# Altium PCB Daughter Board.PcbDoc (part 1 of 3)
Units mil, origin at the board's own origin, x right, y up, seen from the top; angles counter-clockwise.
Board outline 3543.31 x 2755.91 mil, 4 copper layers (Top, GND, 3V3, Bottom), stack 70.5 mil thick; 212 components, 182 nets, 825 pads, 231 vias.
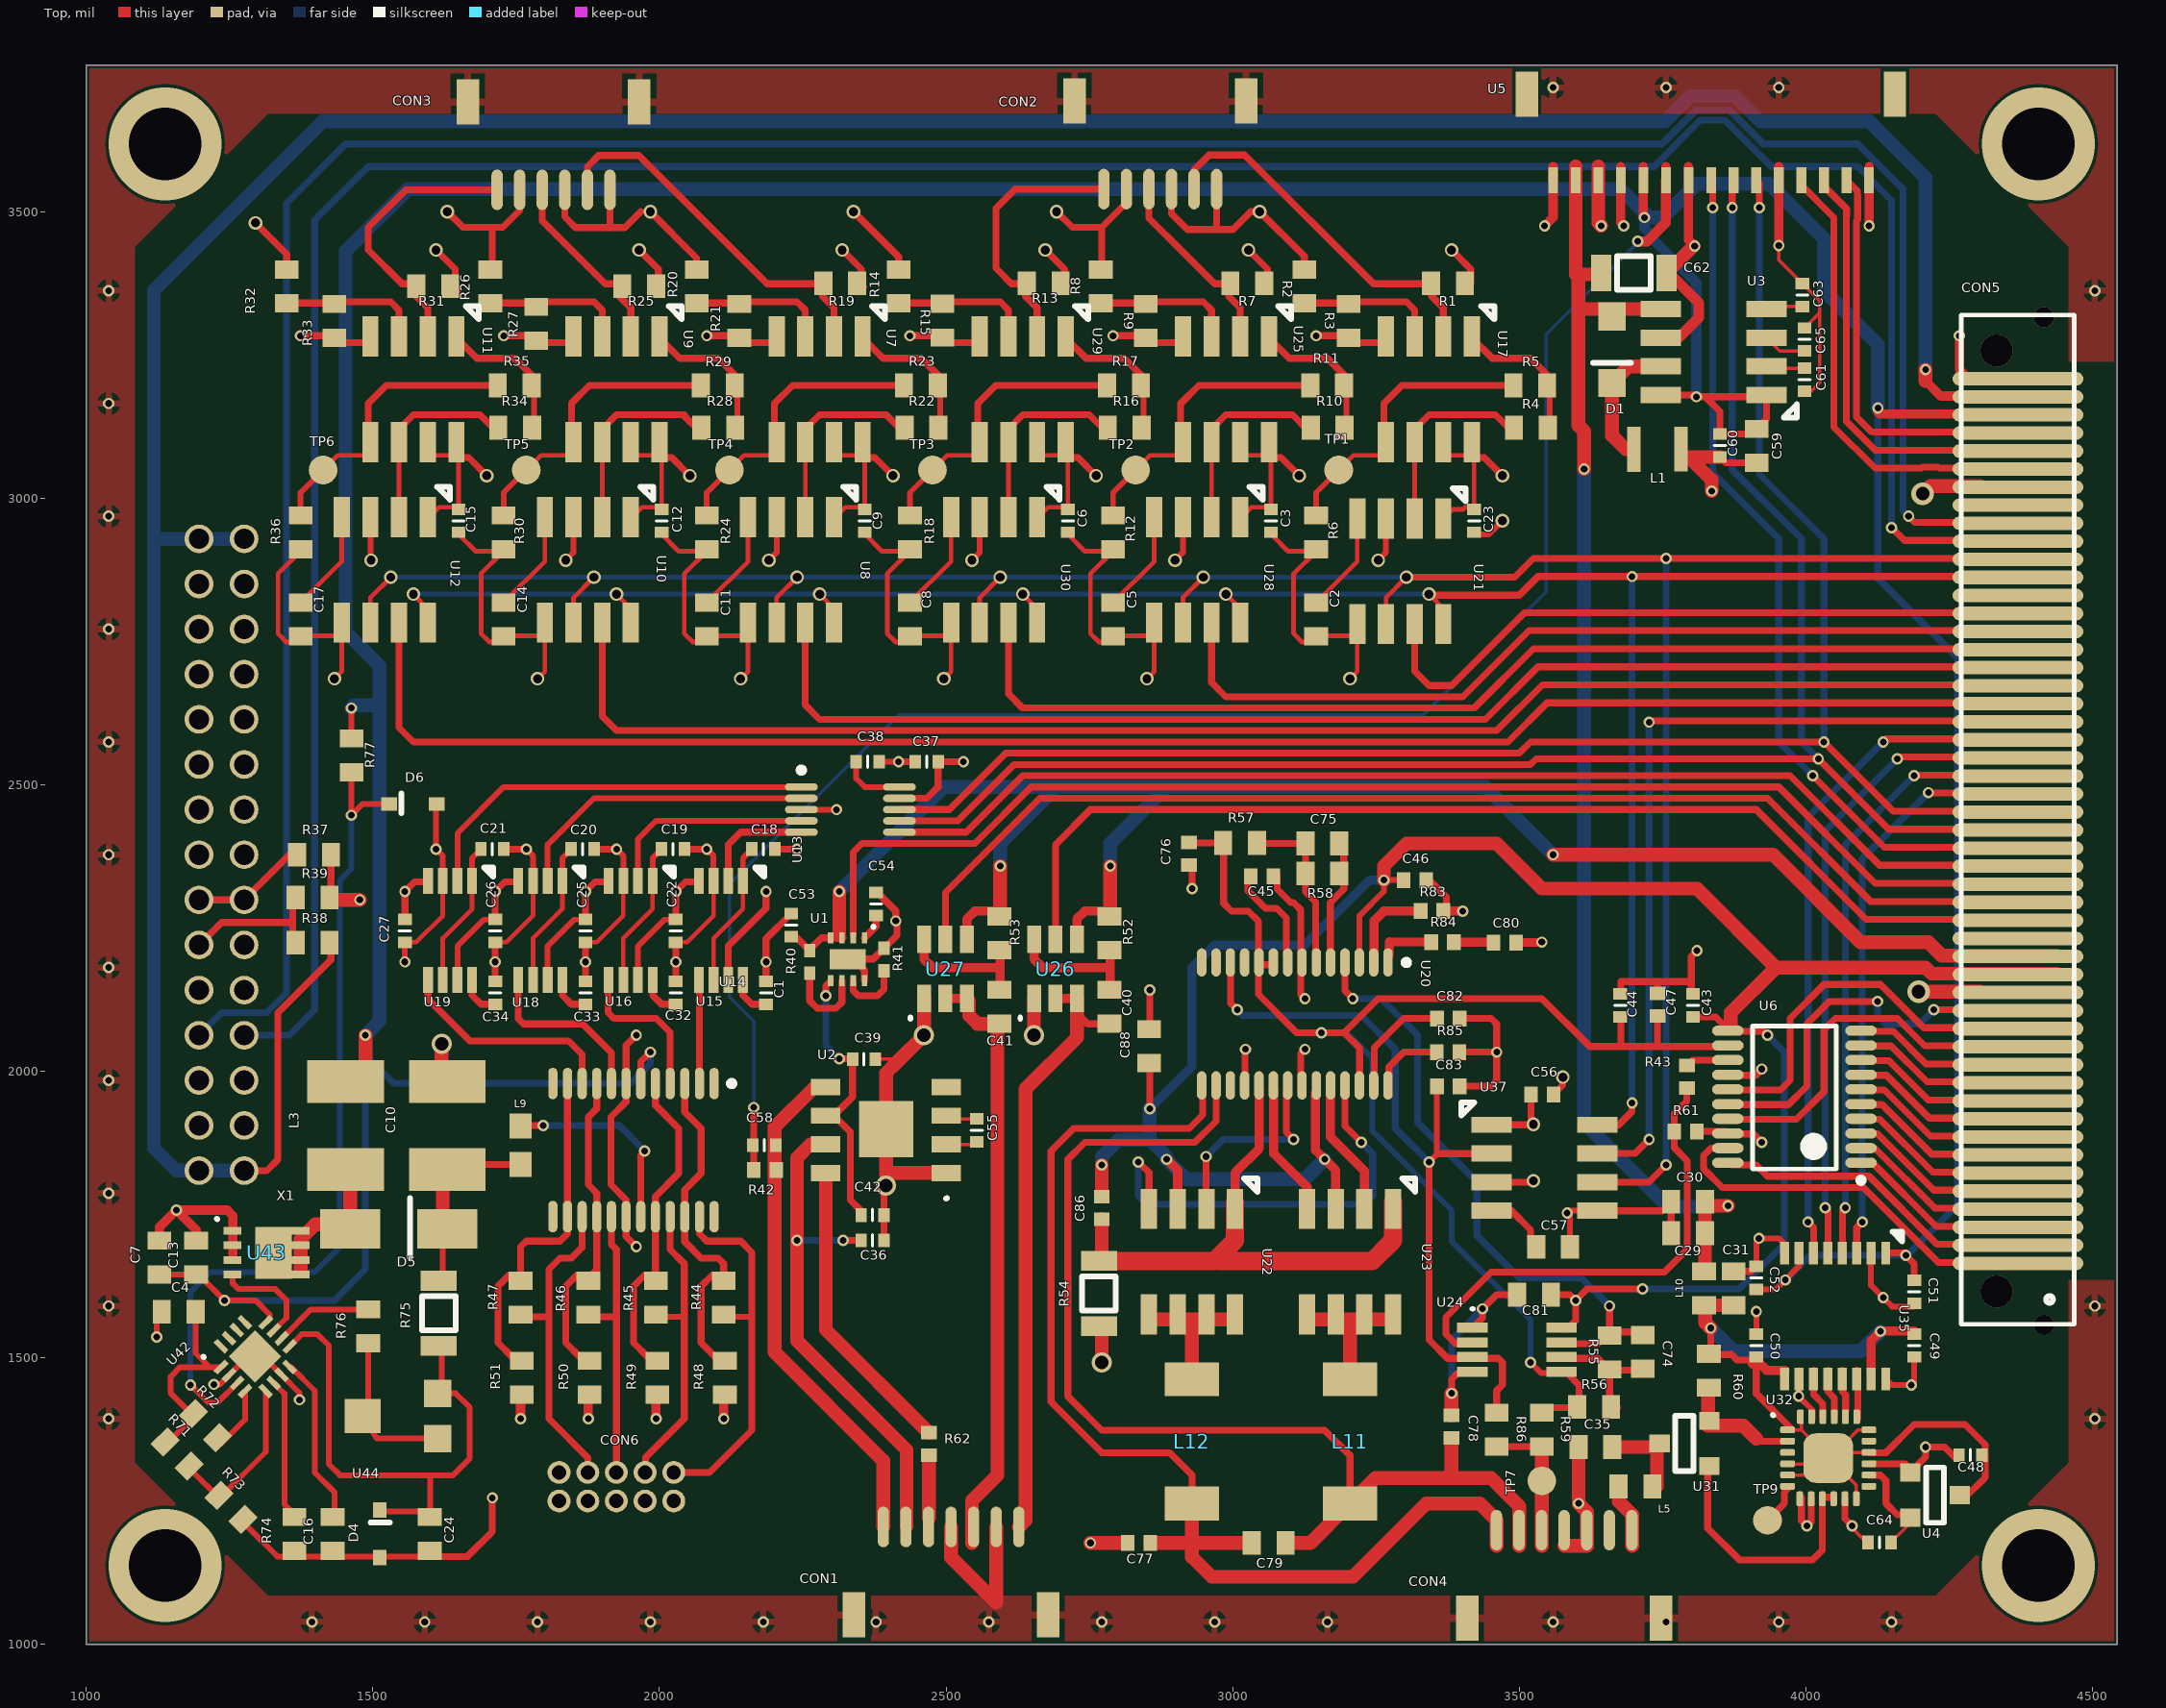
[diagram p0: Top view]
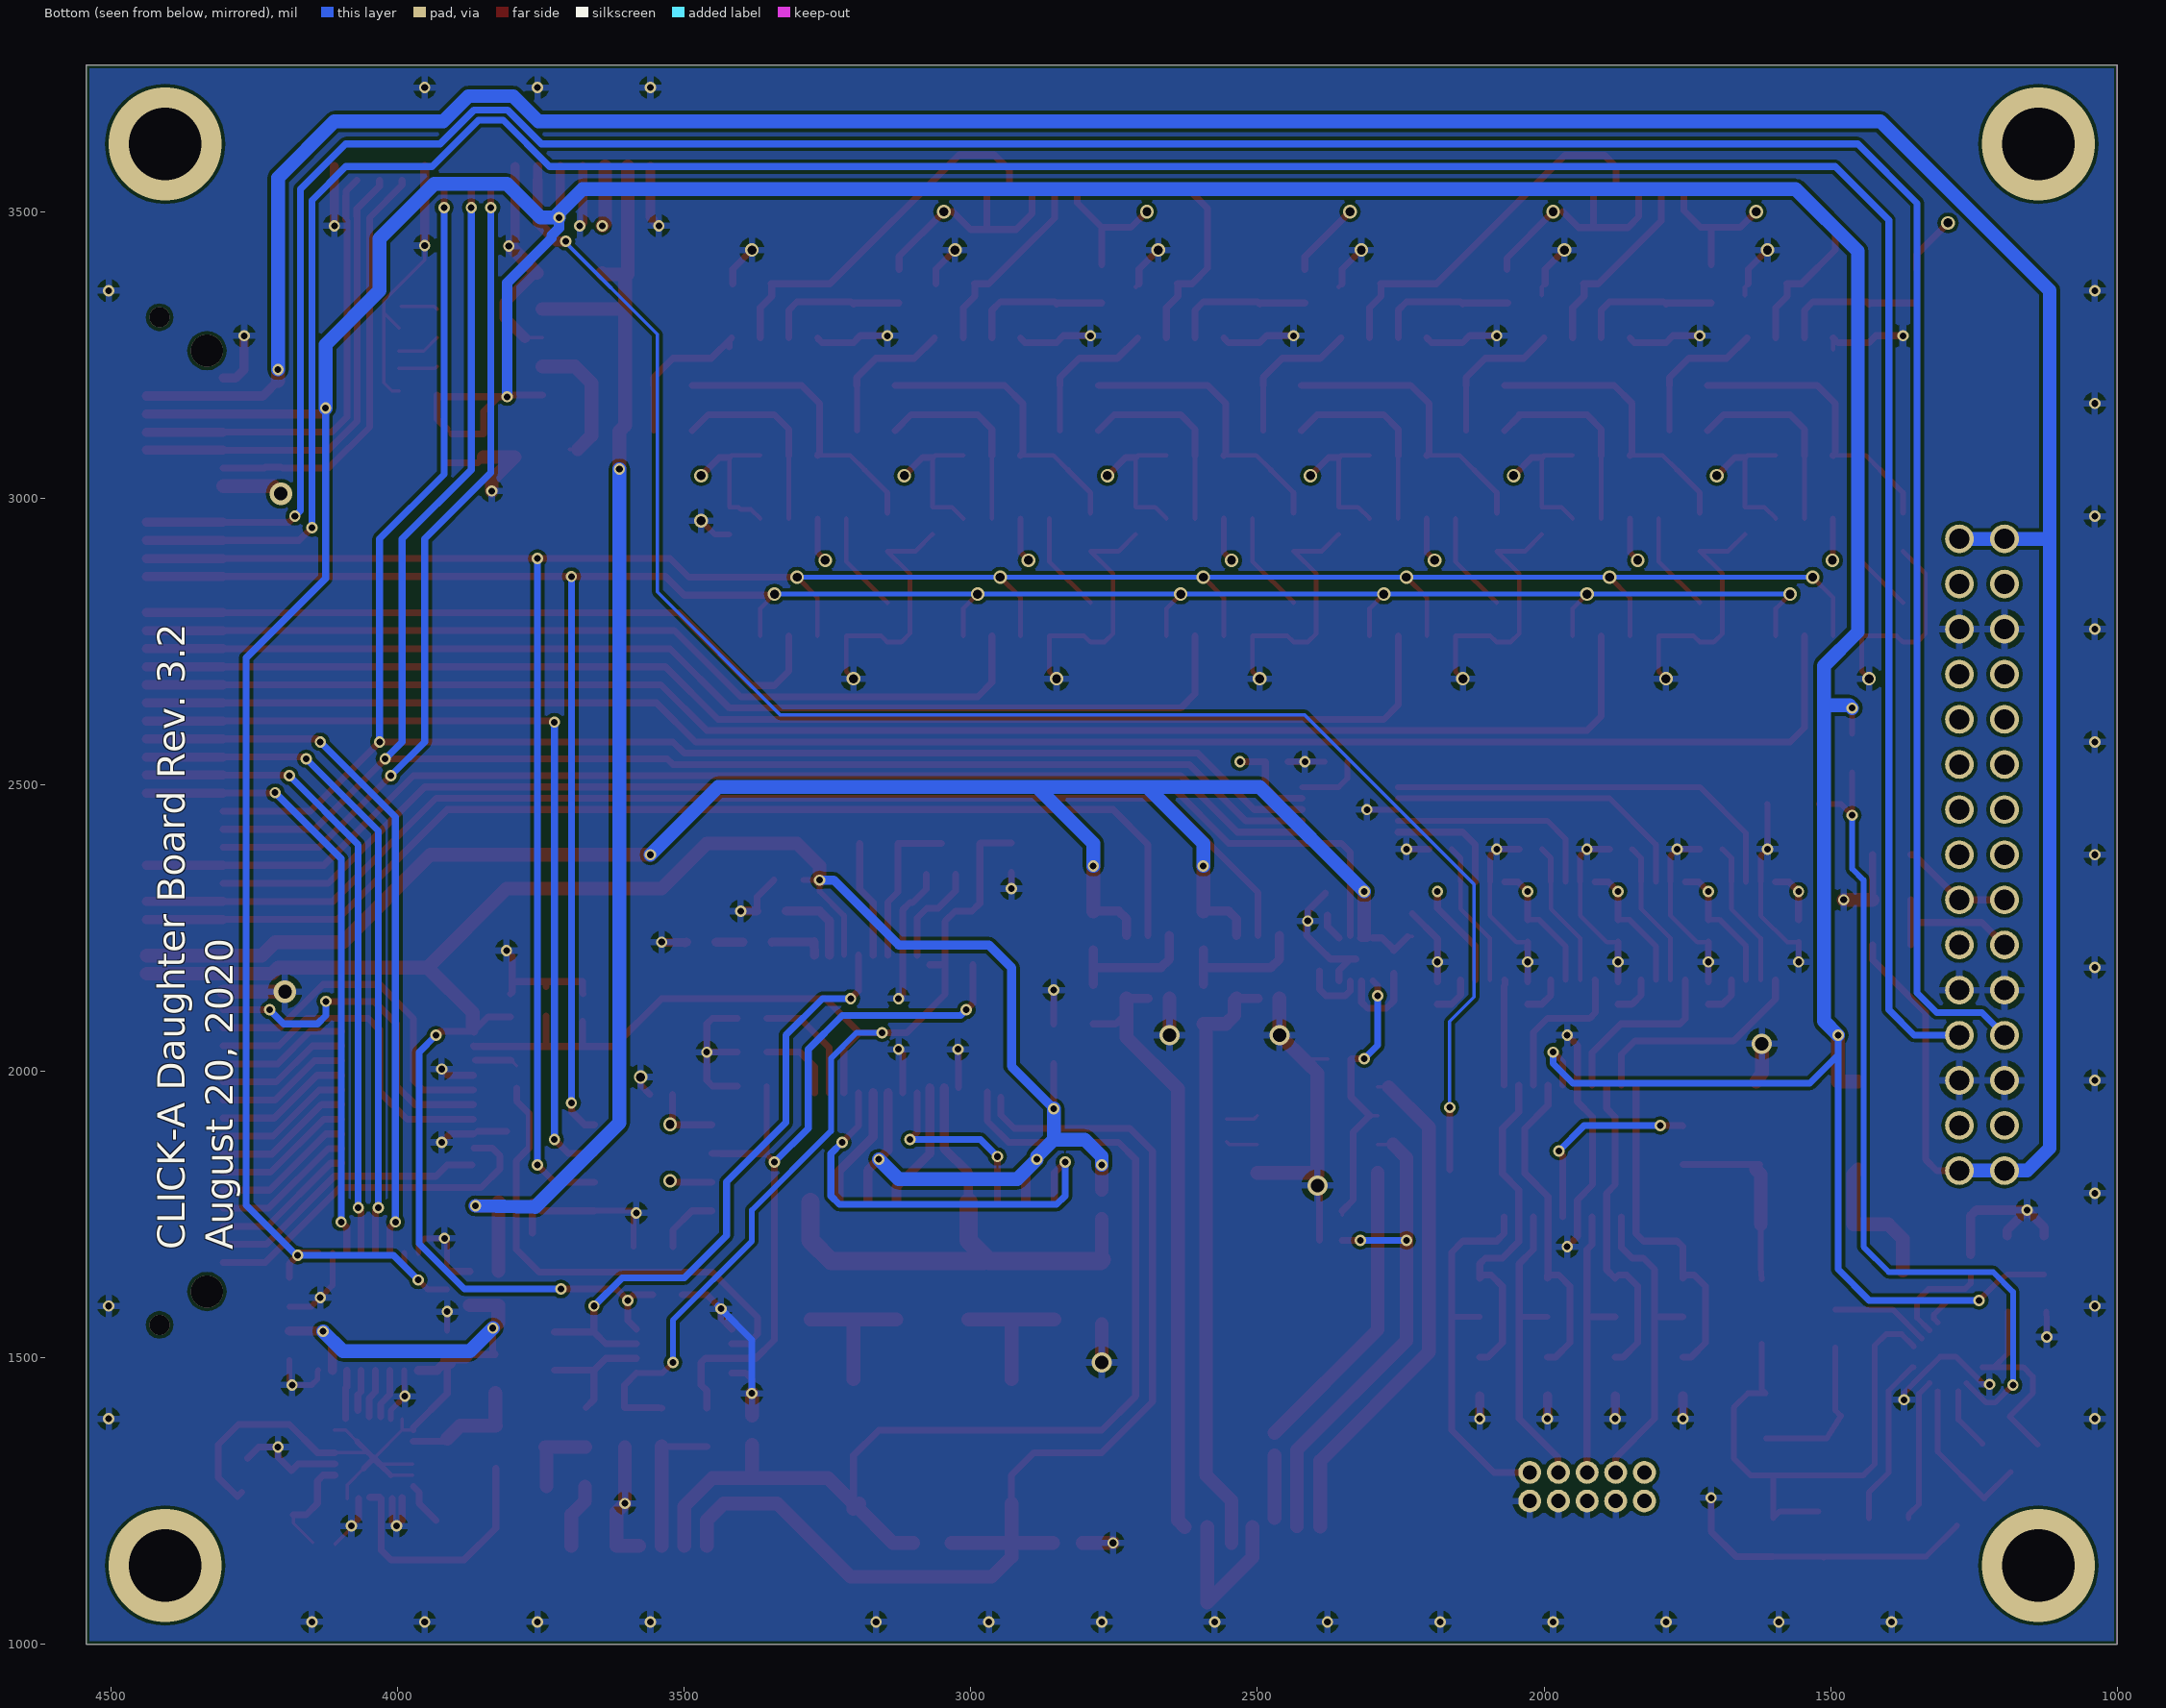
[diagram p1: Bottom view, seen from below]
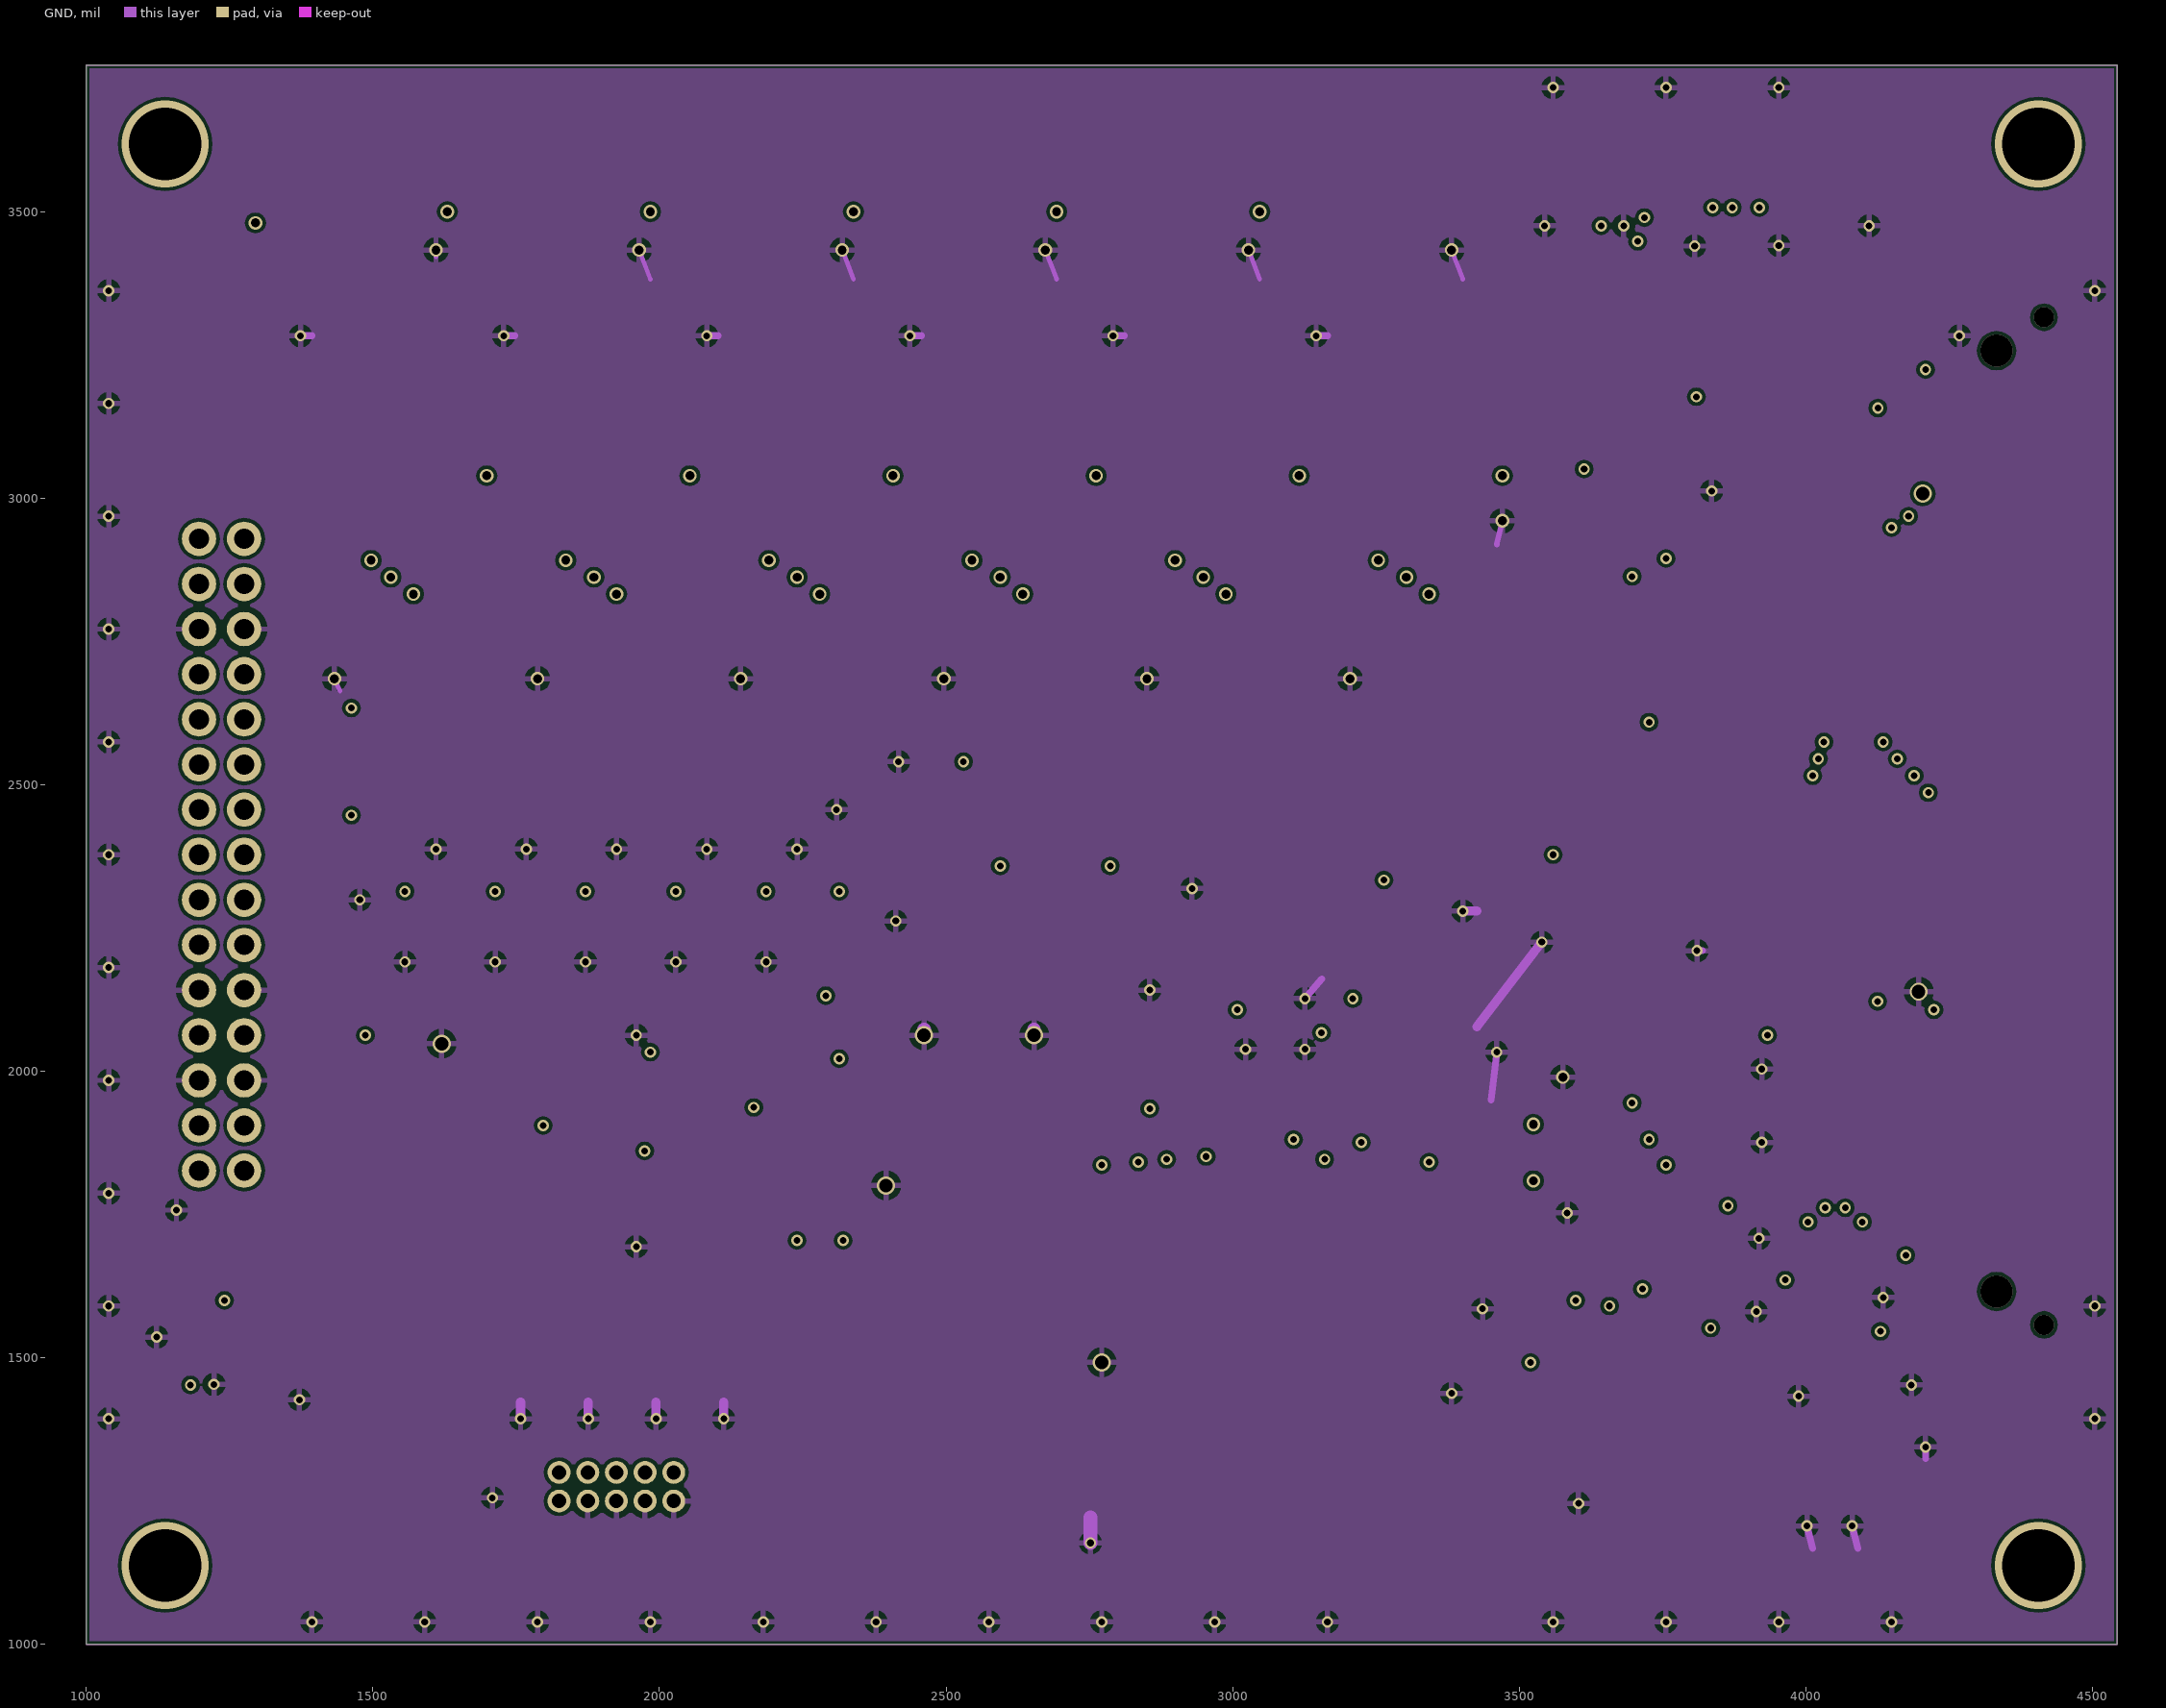
[diagram p2: GND]
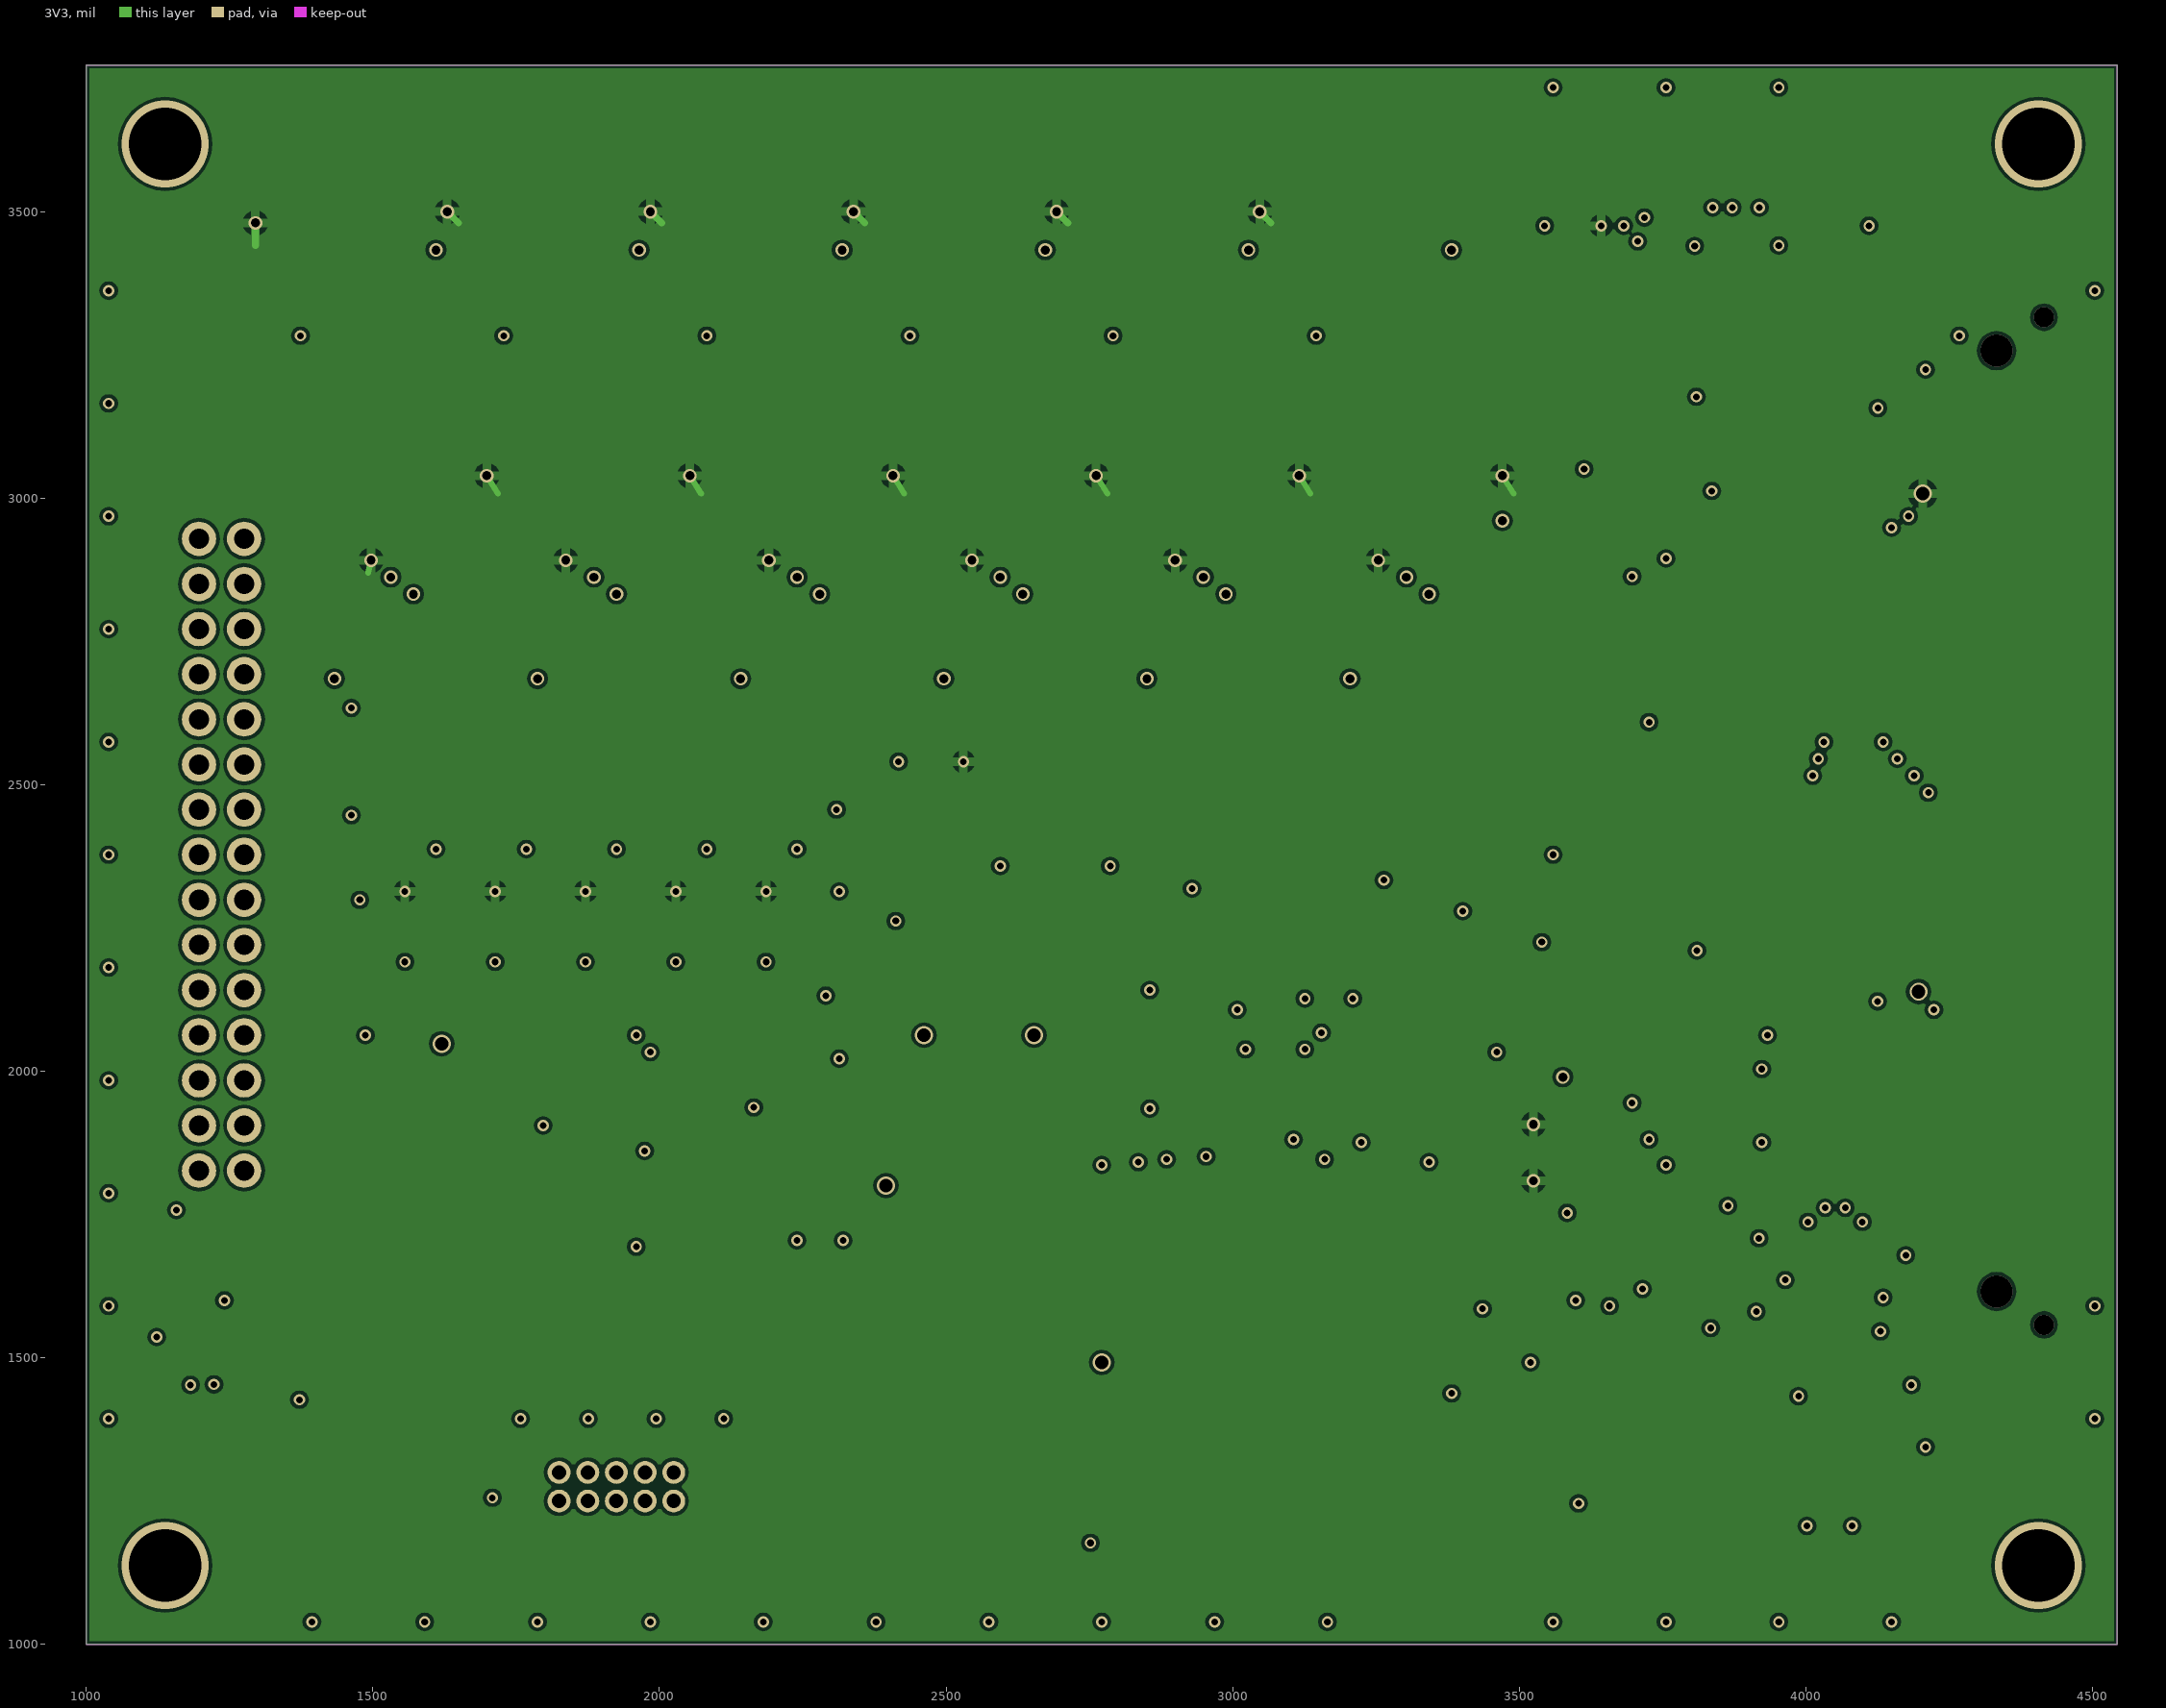
[diagram p3: 3V3]

## Layer stack, top to bottom
Top Solder: solder mask 0.4, Solder Resist, Dk 3.5
Top: signal copper 1.4
Dielectric 1: core 6.7, FR-4, Dk 4.8
GND: signal copper 0.7
Dielectric2: core 47, FR-4, Dk 4.8
3V3: signal copper 0.7
Dielectric3: dielectric 12.6, FR-4, Dk 4.8
Bottom: signal copper 1.4
Bottom Solder: solder mask 0.4, Solder Resist, Dk 3.5

## Board outline
1000,1000 4543.31,1000 4543.31,3755.91 1000,3755.91

## Design rules (kind name [scope] priority, off if disabled: settings)
Clearance [All] p1: gap=6 ignorepadtopadclearanceinfootprint=FALSE
ComponentClearance [All] p1: gap=0.79 collisioncheckmode=3 verticalgap=10 showdistances=FALSE
HoleSize [All] p1: absolutevalues=TRUE maxlimit=100000 minlimit=10 maxpercent=80.000 minpercent=20.000
HoleToHoleClearance mdDrill [All] p1: gap=12 allowstackedmicrovias=TRUE
MinimumSolderMaskSliver [All] p1: minsoldermaskwidth=4
PasteMaskExpansion Expansion_SMDPaste_OFF [InPadClass('SMDPaste_OFF')] p1: expansion=0
PasteMaskExpansion mlMinCreamFrame [All] p2: expansion=0
PolygonConnect PolygonConnect_For_PolygonThermal_ON_Width100000_Gap100000 [InPolygonClass('PolygonThermal_ON_Width100000_Gap100000')] p1: connectstyle=Relief reliefconductorwidth=10 reliefentries=4 polygonreliefangle="90 Angle" airgapwidth=10
PolygonConnect PolygonConnect_For_PolygonThermal_ON_Width160000_Gap100000 [InPolygonClass('PolygonThermal_ON_Width160000_Gap100000')] p2: connectstyle=Relief reliefconductorwidth=16 reliefentries=4 polygonreliefangle="90 Angle" airgapwidth=10
PolygonConnect PolygonConnect_For_PolygonThermal_ON_Width120000_Gap100000 [InPolygonClass('PolygonThermal_ON_Width120000_Gap100000')] p3: connectstyle=Relief reliefconductorwidth=12 reliefentries=4 polygonreliefangle="90 Angle" airgapwidth=10
PolygonConnect ThermalVias [IsVia] p4: connectstyle=Direct reliefconductorwidth=10 reliefentries=4 polygonreliefangle="90 Angle" airgapwidth=10
PolygonConnect [All] p5: connectstyle=Relief reliefconductorwidth=10 reliefentries=4 polygonreliefangle="90 Angle" airgapwidth=10
RoutingVias [All] p1: holewidth=11.81 width=19.81 viastyle="Through Hole" minholewidth=11.81 minwidth=19.81 maxholewidth=100 maxwidth=100
SilkToSilkClearance [All] p1: silktosilkclearance=4
SilkToSolderMaskClearance [IsPad] p1: minsilkscreentomaskgap=4 clearancetoexposedcopper=TRUE
SolderMaskExpansion Expansion_SMDSolder_OFF [InPadClass('SMDSolder_OFF')] p1: expansion=0 istentingtop=FALSE
SolderMaskExpansion mlMinStopFrame [All] p2: expansion=2 istentingtop=FALSE
Width [All] p1: maxlimit=10000 minlimit=6 preferedwidth=6
23 further rules are at their usual default settings.

## Classes and differential pairs
component class "Seed Laser Controller": AGND7 C29 C30 C31 C35 C45 C46 C47 C48 C49 C50 C51 C52 C56 C57 C59 C60 C61 C62 C63 C64 C65 C74 C75 C76 C77 C78 C79 C80 C81 C82 C83 C86 C88 CON4 D1 L1 L5 L10 L11 L12 R54 R55 R56 R57 R58 R59 R60 R83 R84 R85 R86 TP7 TP9 U3 U4 U20 U22 U23 U24 U31 U32 U35 U37
component class RTDBank: C2 C3 C5 C6 C8 C9 C11 C12 C14 C15 C17 C23 CON2 CON3 R1 R2 R3 R4 R5 R6 R7 R8 R9 R10 R11 R12 R13 R14 R15 R16 R17 R18 R19 R20 R21 R22 R23 R24 R25 R26 R27 R28 R29 R30 R31 R32 R33 R34 R35 R36 TP1 TP2 TP3 TP4 TP5 TP6 U7 U8 U9 U10 U11 U12 U17 U21 U25 U28 U29 U30
component class "HV Power Supply": C1 C4 C7 C10 C13 C16 C18 C19 C20 C21 C22 C24 C25 C26 C27 C32 C33 C34 C37 C38 CON6 D4 D5 D6 L3 L9 R44 R45 R46 R47 R48 R49 R50 R51 R71 R72 R73 R74 R75 R76 R77 U13 U14 U15 U16 U18 U19 U42 U43 U44
component class "Heater & Cal. Laser": C36 C39 C40 C41 C42 C53 C54 C55 C58 CON1 R40 R41 R42 R52 R53 R62 U1 U2 U26 U27
component class "FPGA Connect": C43 C44 CON5 R43 R61 U5 U6
component class "EDFA Connector": R37 R38 R39 X1
polygon class PolygonThermal_ON_Width100000_Gap100000: Polygon_2_Net_GND
polygon class PolygonThermal_ON_Width160000_Gap100000: Polygon_1_Net_+3V3
polygon class PolygonThermal_ON_Width120000_Gap100000: Polygon_1_Net_GND Polygon_3_Net_GND
polygon class Isolate_24: Polygon_1_Net_+3V3 Polygon_2_Net_GND Polygon_3_Net_GND
polygon class Isolate_12: Polygon_1_Net_GND
pad class SMDSolder_OFF: U$32-1 U$32-2 U$32-3 U$32-4 U$32-5 U$32-6 U$32-7 U$32-8 U$32-9 U$32-10 U$32-11 U$32-12 U$32-13 U$32-14 U$32-15 U$32-16 U$32-17 U$32-18 U$32-19 U$32-20 U$32-21 U$32-22 U$32-23 U$32-24 U$32-EXP U$35-1 U$35-2 U$35-3 U$35-4 U$35-5 U$35-6 U$35-7 U$35-8 U$35-9 U$35-10 U$35-11 U$35-12 U$35-13 U$35-14 U$35-15 U$35-16 U$42-1 U$42-2 U$42-3 U$42-4 U$42-5 U$42-6 U$42-7 U$42-8 U$42-9 U$42-10 U$42-11 U$42-12 U$42-13 U$42-14 U$42-15 U$42-16 U$42-EXP
pad class SMDPaste_OFF: TP7-TP TP9-TP U$32-1 U$32-2 U$32-3 U$32-4 U$32-5 U$32-6 U$32-7 U$32-8 U$32-9 U$32-10 U$32-11 U$32-12 U$32-13 U$32-14 U$32-15 U$32-16 U$32-17 U$32-18 U$32-19 U$32-20 U$32-21 U$32-22 U$32-23 U$32-24 U$32-EXP U$35-1 U$35-2 U$35-3 U$35-4 U$35-5 U$35-6 U$35-7 U$35-8 U$35-9 U$35-10 U$35-11 U$35-12 U$35-13 U$35-14 U$35-15 U$35-16
